# Altium PCB PCB1.PcbDoc (continued)
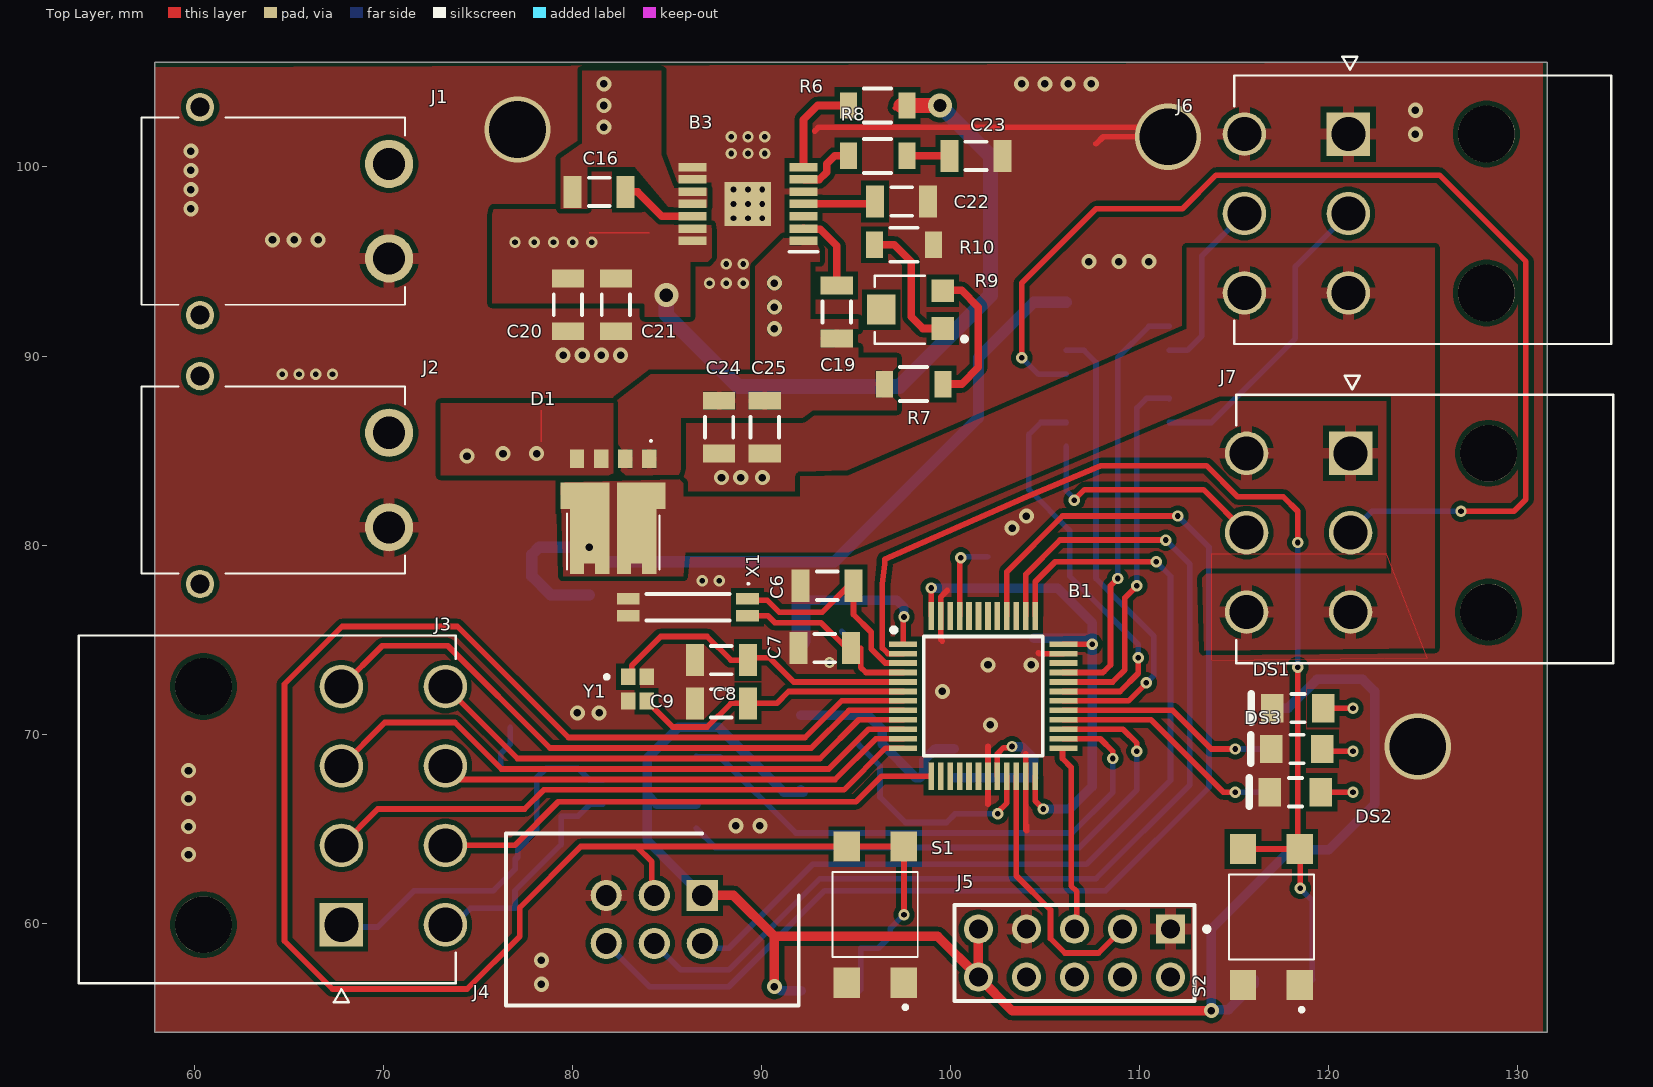
[diagram p0: Top Layer view]
## Part data (continued)
L3: "Inductor High Current Shielded Wirewound 3.3uH 20% 100KHz 10A 11.8mOhm DCR 4040 T/R", Case Code (Imperial)=4040, Current Rating=10A, DC Resistance (DCR)=11.8mΩ, Inductance Tolerance=20%, Manufacturer=Vishay, Max DC Current=18.6A, Max Operating Temperature=125°C, Min Operating Temperature=-55°C, Mouser Part Number=70-IHLP4040DZER3R3M0, Self Resonant Frequency=5MHz, Supplier Part Number=1547037, Test Frequency=100kHz, Arrow Part Number=IHLP4040DZER3R3M01, Arrow Price/Stock=https://www.arrow.com/en/products/ihlp4040dzer3r3m01/vishay?region=nac, Case/Package=4040, Category="Fixed Inductors", China RoHS=Compliant, ComponentLink1Description=https://datasheet.octopart.com:443/IHLP4040DZER3R3M01-Vishay-datasheet-181468593.pdf?src-supplier=IHS, ComponentLink1URL=https://datasheet.octopart.com:443/IHLP4040DZER3R3M01-Vishay-datasheet-181468593.pdf?src-supplier=IHS, ComponentLink2Description=https://datasheet.octopart.com:443/IHLP4040DZER3R3M01-Vishay-Dale-datasheet-181465866.pdf?src-supplier=IHS, ComponentLink2URL=https://datasheet.octopart.com:443/IHLP4040DZER3R3M01-Vishay-Dale-datasheet-181465866.pdf?src-supplier=IHS, ComponentLink3Description=https://datasheet.octopart.com:443/IHLP4040DZER3R3M01-Vishay-datasheet-67039456.pdf?src-supplier=Farnell, ComponentLink3URL=https://datasheet.octopart.com:443/IHLP4040DZER3R3M01-Vishay-datasheet-67039456.pdf?src-supplier=Farnell, ComponentLink4Description=https://datasheet.octopart.com:443/IHLP4040DZER3R3M01-Vishay-datasheet-167142.pdf?src-supplier=Farnell, ComponentLink4URL=https://datasheet.octopart.com:443/IHLP4040DZER3R3M01-Vishay-datasheet-167142.pdf?src-supplier=Farnell, ComponentLink5Description=https://datasheet.octopart.com/IHLP4040DZER3R3M01-Vishay-datasheet-12542609.pdf, ComponentLink5URL=https://datasheet.octopart.com/IHLP4040DZER3R3M01-Vishay-datasheet-12542609.pdf, ComponentLink6Description=https://datasheet.octopart.com/IHLP4040DZER3R3M01-Vishay-datasheet-12537444.pdf, ComponentLink6URL=https://datasheet.octopart.com/IHLP4040DZER3R3M01-Vishay-datasheet-12537444.pdf, ComponentLink7Description=https://datasheet.octopart.com/IHLP4040DZER3R3M01-Vishay-datasheet-12514016.pdf, ComponentLink7URL=https://datasheet.octopart.com/IHLP4040DZER3R3M01-Vishay-datasheet-12514016.pdf, ComponentLink8Description=https://datasheet.octopart.com/IHLP4040DZER3R3M01-Vishay-datasheet-5394347.pdf, ComponentLink8URL=https://datasheet.octopart.com/IHLP4040DZER3R3M01-Vishay-datasheet-5394347.pdf, ComponentLink9Description=https://datasheet.octopart.com:443/IHLP4040DZER3R3M01-Vishay-datasheet-8434461.pdf?src-supplier=Newark, ComponentLink9URL=https://datasheet.octopart.com:443/IHLP4040DZER3R3M01-Vishay-datasheet-8434461.pdf?src-supplier=Newark, ComponentLink10Description=https://datasheet.octopart.com:443/IHLP4040DZER3R3M01-Vishay-datasheet-62320562.pdf?src-supplier=element14+APAC, ComponentLink10URL=https://datasheet.octopart.com:443/IHLP4040DZER3R3M01-Vishay-datasheet-62320562.pdf?src-supplier=element14+APAC, ComponentLink11Description=https://datasheet.octopart.com:443/IHLP4040DZER3R3M01-Vishay-datasheet-101783941.pdf?src-supplier=Future+Electronics, ComponentLink11URL=https://datasheet.octopart.com:443/IHLP4040DZER3R3M01-Vishay-datasheet-101783941.pdf?src-supplier=Future+Electronics, ComponentLink12Description=https://datasheet.octopart.com:443/IHLP4040DZER3R3M01-Vishay-datasheet-12531877.pdf?src-supplier=Future+Electronics, ComponentLink12URL=https://datasheet.octopart.com:443/IHLP4040DZER3R3M01-Vishay-datasheet-12531877.pdf?src-supplier=Future+Electronics, ComponentLink13Description=https://datasheet.octopart.com:443/IHLP4040DZER3R3M01-Vishay-Dale-datasheet-42936488.pdf?src-supplier=RS+(Formerly+Allied+Electronics), ComponentLink13URL=https://datasheet.octopart.com:443/IHLP4040DZER3R3M01-Vishay-Dale-datasheet-42936488.pdf?src-supplier=RS+(Formerly+Allied+Electronics), ComponentLink14Description=https://datasheet.octopart.com:443/IHLP4040DZER3R3M01-Vishay-datasheet-140572121.pdf?src-supplier=Arrow.cn, ComponentLink14URL=https://datasheet.octopart.com:443/IHLP4040DZER3R3M01-Vishay-datasheet-140572121.pdf?src-supplier=Arrow.cn, ComponentLink15Description=http://sigma.octopart.com:80/rohs_statement/Vishay-company-15.pdf?src-supplier=Compliance+Statements, ComponentLink15URL=http://sigma.octopart.com:80/rohs_statement/Vishay-company-15.pdf?src-supplier=Compliance+Statements, Composition=Wirewound, Contact Plating=Tin, Core Material=Composite, Datasheet Link=https://www.vishay.com/docs/34193/ihlp-4040dz-01.pdf, Depth=10.3mm, ESR=14.4mΩ, Geometry.Height=4mm, Height=4mm, Height - Seated (Max)=3.9878mm, Lead Free="Lead Free", Lifecycle Status=Production, Manufacturer Part Number=IHLP4040DZER3R3M01, Manufacturer_Name=Vishay, Manufacturer_Part_Number=IHLP4040DZER3R3M01, Max Current Rating=10A, Military Standard=Not, Mounting Technology="Surface Mount", Mouser Price/Stock=https://www.mouser.co.uk/ProductDetail/Vishay-Dale/IHLP4040DZER3R3M01?qs=UUKq9QDXQ0nKJM%252B3xlQGHA%3D%3D, Number of Circuits=1, Number of Terminals=2, Radiation Hardening=No, REACH SVHC=Yes, RMS Current (Irms)=10A, RoHS=Compliant, Saturation Current=18.6A, Schedule B="8504500000, 8504500000|8504500000|8504500000|8504500000|8504500000", Shielding=Yes, Stock=559, Supplier=Farnell, Termination=SMD/SMT, Tolerance=20%, Weight=2.000002g, Width=10.16mm
R1 R2 R3 R4 R5 R6 R7 R8 R10 R11 R12 R13: library part CMP-04015-098385-1, "40.2kΩ ±1% 0.25W Chip Resistor 1206 Thick Film AEC-Q200 Qualified", Case Code (Imperial)=1206, Case Code (Metric)=3216, Max Operating Temperature=155°C, Min Operating Temperature=-55°C, Package Quantity=5000, Power Rating=250mW, Resistance=40.2kR, Temperature Coefficient=100ppm/°C, Tolerance=1%, Voltage Rating=200V, Case/Package=1206, Height=0.6mm, Lead Free="Contains Lead", Length=3.2mm, Packaging="Tape and Reel", RoHS Compliant=No, Series=RK73H, Termination=SMD/SMT, Voltage Rating (DC)=200V, Width=1.6mm
R9: "Adjustable Resistors – SMD; BOURNS; TC33X-2-503E; Cermet; 1.2 mm; 100 mW; Surface Mount", Color=Silver, Manufacturer=Bourns, Max Operating Temperature=100°C, Max Power Dissipation=100mW, Min Operating Temperature=-40°C, Package="1608 Bourns", Power Dissipation=150mW, Supplier Part Number=TC33X-503ECT-ND, Temperature Coefficient=250ppm/°C, Tolerance=25%, Voltage Rating (DC)=50V, Category="Variable Resistors and Potentiometers", Check_prices=https://www.snapeda.com/parts/TC33X-2-503E/Bourns/view-part/467769/?ref=eda, ComponentLink1Description=https://datasheet.octopart.com:443/TC33X-2-503E-Bourns-datasheet-182142024.pdf?src-supplier=IHS, ComponentLink1URL=https://datasheet.octopart.com:443/TC33X-2-503E-Bourns-datasheet-182142024.pdf?src-supplier=IHS, ComponentLink2Description=https://datasheet.octopart.com:443/TC33X-2-503E-Bourns-datasheet-11551316.pdf?src-supplier=Electro+Sonic, ComponentLink2URL=https://datasheet.octopart.com:443/TC33X-2-503E-Bourns-datasheet-11551316.pdf?src-supplier=Electro+Sonic, ComponentLink3Description=https://datasheet.octopart.com:443/TC33X-2-503E-Bourns-datasheet-154730028.pdf?src-supplier=Electro+Sonic, ComponentLink3URL=https://datasheet.octopart.com:443/TC33X-2-503E-Bourns-datasheet-154730028.pdf?src-supplier=Electro+Sonic, ComponentLink4Description=https://datasheet.octopart.com:443/TC33X-2-503E-Bourns-datasheet-67039831.pdf?src-supplier=element14+APAC, ComponentLink4URL=https://datasheet.octopart.com:443/TC33X-2-503E-Bourns-datasheet-67039831.pdf?src-supplier=element14+APAC, ComponentLink5Description=https://datasheet.octopart.com:443/TC33X-2-503E-Bourns-datasheet-164917123.pdf?src-supplier=Newark, ComponentLink5URL=https://datasheet.octopart.com:443/TC33X-2-503E-Bourns-datasheet-164917123.pdf?src-supplier=Newark, ComponentLink6Description=https://datasheet.octopart.com:443/TC33X-2-503E-Bourns-datasheet-26822215.pdf?src-supplier=Newark, ComponentLink6URL=https://datasheet.octopart.com:443/TC33X-2-503E-Bourns-datasheet-26822215.pdf?src-supplier=Newark, ComponentLink7Description=https://datasheet.octopart.com:443/TC33X-2-503E-Bourns-datasheet-41964919.pdf?src-supplier=Newark, ComponentLink7URL=https://datasheet.octopart.com:443/TC33X-2-503E-Bourns-datasheet-41964919.pdf?src-supplier=Newark, ComponentLink8Description=https://datasheet.octopart.com:443/TC33X-2-503E-Bourns-datasheet-47549324.pdf?src-supplier=RS+(Formerly+Allied+Electronics), ComponentLink8URL=https://datasheet.octopart.com:443/TC33X-2-503E-Bourns-datasheet-47549324.pdf?src-supplier=RS+(Formerly+Allied+Electronics), ComponentLink9Description=https://datasheet.octopart.com:443/TC33X-2-503E-Bourns-datasheet-549861.pdf?src-supplier=RS+(Formerly+Allied+Electronics), ComponentLink9URL=https://datasheet.octopart.com:443/TC33X-2-503E-Bourns-datasheet-549861.pdf?src-supplier=RS+(Formerly+Allied+Electronics), ComponentLink10Description=https://datasheet.octopart.com:443/TC33X-2-503E-Bourns-datasheet-21366158.pdf?src-supplier=Farnell, ComponentLink10URL=https://datasheet.octopart.com:443/TC33X-2-503E-Bourns-datasheet-21366158.pdf?src-supplier=Farnell, ComponentLink11Description=https://datasheet.octopart.com:443/TC33X-2-503E-Bourns-datasheet-38800.pdf?src-supplier=Farnell, ComponentLink11URL=https://datasheet.octopart.com:443/TC33X-2-503E-Bourns-datasheet-38800.pdf?src-supplier=Farnell, ComponentLink12Description=https://datasheet.octopart.com:443/TC33X-2-503E-Bourns-datasheet-5319878.pdf?src-supplier=element14, ComponentLink12URL=https://datasheet.octopart.com:443/TC33X-2-503E-Bourns-datasheet-5319878.pdf?src-supplier=element14, ComponentLink13Description=https://datasheet.octopart.com:443/TC33X-2-503E-Bourns-datasheet-14175263.pdf?src-supplier=iiiC, ComponentLink13URL=https://datasheet.octopart.com:443/TC33X-2-503E-Bourns-datasheet-14175263.pdf?src-supplier=iiiC, ComponentLink14Description=https://datasheet.octopart.com:443/TC33X-2-503E-Bourns-datasheet-39003.pdf?src-supplier=Mouser, ComponentLink14URL=https://datasheet.octopart.com:443/TC33X-2-503E-Bourns-datasheet-39003.pdf?src-supplier=Mouser, ComponentLink15Description=http://sigma.octopart.com:80/conflict_mineral_statement/Bourns-company-36.pdf?src-supplier=Compliance+Statements, ComponentLink15URL=http://sigma.octopart.com:80/conflict_mineral_statement/Bourns-company-36.pdf?src-supplier=Compliance+Statements, Composition=Cermet, Depth=3.8mm, Digi-Key_Part_Number=TC33X-503ECT-ND, Height=1.2mm, Lead Free="Contains Lead", Length=3.8mm, Lifecycle Status=Production, Manufacturer Part Number=TC33X-2-503E, MF=Bourns, Military Standard=Not, Mounting Technology="Surface Mount", MP=TC33X-2-503E, Number of Terminals=3, Number of Turns=1, Packaging="Cut Tape", Power Rating=100mW, Pricing="1=0,25, 10=0,213, 25=0,1996, 50=0,1896, 100=0,18, 250=0,168, 500=0,15938, 1000=0,15119 (USD)", Purchase-URL=https://pricing.snapeda.com/search/part/TC33X-2-503E/?ref=eda, Radiation Hardening=No, REACH SVHC=Yes, RoHS=Compliant, Schedule B="8533400080, 8533400080|8533400080|8533400080|8533400080|8533400080", SnapEDA_Link=https://www.snapeda.com/parts/TC33X-2-503E/Bourns/view-part/467769/?ref=snap, Stock=2932, Supplier=DigiKey, Termination="Foot Print", Weight=29.4mg, Width=3.6mm, Working Voltage=50V
S1 S2: "TL3305 Ultra-Miniature Tact Switch 100gf 5.0mm actuator Silver Contact Gullwing", Manufacturer=E-Switch, Mouser Part Number=612-TL3305BF100QG, Supplier Part Number=4539028, Category="Tactile Switches", ComponentLink1Description=https://datasheet.octopart.com:443/TL3305BF100QG-E-Switch-datasheet-181388209.pdf?src-supplier=Future+Electronics, ComponentLink1URL=https://datasheet.octopart.com:443/TL3305BF100QG-E-Switch-datasheet-181388209.pdf?src-supplier=Future+Electronics, ComponentLink2Description=https://datasheet.octopart.com:443/TL3305BF100QG-E-Switch-datasheet-188129426.pdf?src-supplier=Future+Electronics, ComponentLink2URL=https://datasheet.octopart.com:443/TL3305BF100QG-E-Switch-datasheet-188129426.pdf?src-supplier=Future+Electronics, Datasheet Link=https://configured-product-images.s3.amazonaws.com/2D/specs/TL3305BF100QG.pdf, Manufacturer Part Number=TL3305BF100QG, Manufacturer_Name=E-Switch, Manufacturer_Part_Number=TL3305BF100QG, Mouser Price/Stock=https://www.mouser.co.uk/ProductDetail/E-Switch/TL3305BF100QG?qs=IKkN%2F947nfDIPwqPQja%252BvQ%3D%3D, RoHS=Compliant, Stock=11760, Supplier=Farnell
U1: "Texas Instruments - SN65HVD232DR - Can Transceiver, 1MBPS, 1/1, 3.3V, SOIC-8, Full Reel", Case/Package=SOIC, Manufacturer="Texas Instruments", Manufacturer Lifecycle Status=ACTIVE, Manufacturer Part Number=SN65HVD232DR, Max Operating Temperature=85°C, Max Supply Voltage=3.6V, Min Operating Temperature=-40°C, Min Supply Voltage=3V, Nominal Supply Current=17mA, Package="SOIC-8 Texas Instruments", Category="CAN Transceivers", Check_prices=https://www.snapeda.com/parts/SN65HVD232D/Texas+Instruments/view-part/?ref=eda, ComponentLink1Description=https://octopart.com:443/opatz8j6/c1?t=KNMFt9M64p-_id6rZ0-P1CX6CGmvk_NFg0bt7DHXbi_P10EFF0MZE_9gM8ERckOxIywTBgDrXd4Bw1XwEAcVVdK92p9CEfdSNaVajf6_bxnez3EeN1RE1wZBaojbXTwQ_101S7Bb856c3hUAWErS0_zGIM1B6Z6dFQwv_Ps2SUdVVUCjmJkLnMLZKTBWfnIVcgJIheW78JYanUyW_1u-I93chBuiSPXQYIk2xXb9JgOyrE9lHEnesRSQq9luJOd1yknyGQP0N3Is0_dGM9QrGV5UOgjoada9tMnQwKJP8gahr3iTK59XJFH6OfbHTOm3R9BdESCrBMbrE2MVOGPPkVOTrqf0YMovDpmf-konbncFnSES8CNOhHqMwHv2HEwKcPoK44nl&src-supplier=Texas+Instruments, ComponentLink1URL=https://octopart.com:443/opatz8j6/c1?t=KNMFt9M64p-_id6rZ0-P1CX6CGmvk_NFg0bt7DHXbi_P10EFF0MZE_9gM8ERckOxIywTBgDrXd4Bw1XwEAcVVdK92p9CEfdSNaVajf6_bxnez3EeN1RE1wZBaojbXTwQ_101S7Bb856c3hUAWErS0_zGIM1B6Z6dFQwv_Ps2SUdVVUCjmJkLnMLZKTBWfnIVcgJIheW78JYanUyW_1u-I93chBuiSPXQYIk2xXb9JgOyrE9lHEnesRSQq9luJOd1yknyGQP0N3Is0_dGM9QrGV5UOgjoada9tMnQwKJP8gahr3iTK59XJFH6OfbHTOm3R9BdESCrBMbrE2MVOGPPkVOTrqf0YMovDpmf-konbncFnSES8CNOhHqMwHv2HEwKcPoK44nl&src-supplier=Texas+Instruments, ComponentLink2Description=https://sigma.octopart.com:443/49249642/technical_drawing/Texas-Instruments-SN65HVD232DR.pdf?src-supplier=Texas+Instruments, ComponentLink2URL=https://sigma.octopart.com:443/49249642/technical_drawing/Texas-Instruments-SN65HVD232DR.pdf?src-supplier=Texas+Instruments, ComponentLink3Description=https://datasheet.octopart.com:443/SN65HVD232DR-Texas-Instruments-datasheet-81447765.pdf?src-supplier=Upverter, ComponentLink3URL=https://datasheet.octopart.com:443/SN65HVD232DR-Texas-Instruments-datasheet-81447765.pdf?src-supplier=Upverter, ComponentLink4Description=https://datasheet.octopart.com:443/SN65HVD232DR-Texas-Instruments-datasheet-37140773.pdf?src-supplier=Newark, ComponentLink4URL=https://datasheet.octopart.com:443/SN65HVD232DR-Texas-Instruments-datasheet-37140773.pdf?src-supplier=Newark, ComponentLink5Description=https://datasheet.octopart.com:443/SN65HVD232DR-Texas-Instruments-datasheet-14436966.pdf?src-supplier=Newark, ComponentLink5URL=https://datasheet.octopart.com:443/SN65HVD232DR-Texas-Instruments-datasheet-14436966.pdf?src-supplier=Newark, ComponentLink6Description=https://datasheet.octopart.com:443/SN65HVD232DR-Texas-Instruments-datasheet-58296547.pdf?src-supplier=Newark, ComponentLink6URL=https://datasheet.octopart.com:443/SN65HVD232DR-Texas-Instruments-datasheet-58296547.pdf?src-supplier=Newark, ComponentLink7Description=https://datasheet.octopart.com:443/SN65HVD232DR-Texas-Instruments-datasheet-48117850.pdf?src-supplier=Newark, ComponentLink7URL=https://datasheet.octopart.com:443/SN65HVD232DR-Texas-Instruments-datasheet-48117850.pdf?src-supplier=Newark, ComponentLink8Description=https://datasheet.octopart.com:443/SN65HVD232DR-Texas-Instruments-datasheet-10256024.pdf?src-supplier=Arrow+Electronics, ComponentLink8URL=https://datasheet.octopart.com:443/SN65HVD232DR-Texas-Instruments-datasheet-10256024.pdf?src-supplier=Arrow+Electronics, ComponentLink9Description=https://datasheet.octopart.com:443/SN65HVD232DR-Texas-Instruments-datasheet-149765.pdf?src-supplier=Mouser, ComponentLink9URL=https://datasheet.octopart.com:443/SN65HVD232DR-Texas-Instruments-datasheet-149765.pdf?src-supplier=Mouser, ComponentLink10Description=https://datasheet.octopart.com:443/SN65HVD232DR-Texas-Instruments-datasheet-62292544.pdf?src-supplier=Farnell, ComponentLink10URL=https://datasheet.octopart.com:443/SN65HVD232DR-Texas-Instruments-datasheet-62292544.pdf?src-supplier=Farnell, ComponentLink11Description=https://datasheet.octopart.com:443/SN65HVD232DR-Texas-Instruments-datasheet-164416263.pdf?src-supplier=SHENGYU+ELECTRONICS, ComponentLink11URL=https://datasheet.octopart.com:443/SN65HVD232DR-Texas-Instruments-datasheet-164416263.pdf?src-supplier=SHENGYU+ELECTRONICS, ComponentLink12Description=https://datasheet.octopart.com:443/SN65HVD232DR-Texas-Instruments-datasheet-159115712.pdf?src-supplier=LCSC, ComponentLink12URL=https://datasheet.octopart.com:443/SN65HVD232DR-Texas-Instruments-datasheet-159115712.pdf?src-supplier=LCSC, ComponentLink13Description=https://datasheet.octopart.com:443/SN65HVD232DR-Texas-Instruments-datasheet-137316104.pdf?src-supplier=Future+Electronics, ComponentLink13URL=https://datasheet.octopart.com:443/SN65HVD232DR-Texas-Instruments-datasheet-137316104.pdf?src-supplier=Future+Electronics, ComponentLink14Description=https://datasheet.octopart.com:443/SN65HVD232DR-Texas-Instruments-datasheet-8625468.pdf?src-supplier=Verical, ComponentLink14URL=https://datasheet.octopart.com:443/SN65HVD232DR-Texas-Instruments-datasheet-8625468.pdf?src-supplier=Verical, ComponentLink15Description=https://datasheet.octopart.com:443/SN65HVD232DR-Texas-Instruments-datasheet-8378736.pdf?src-supplier=Verical, ComponentLink15URL=https://datasheet.octopart.com:443/SN65HVD232DR-Texas-Instruments-datasheet-8378736.pdf?src-supplier=Verical, ComponentLink16Description=http://sigma.octopart.com:80/conflict_mineral_statement/Texas-Instruments-company-63.pdf?src-supplier=Compliance+Statements, ComponentLink16URL=http://sigma.octopart.com:80/conflict_mineral_statement/Texas-Instruments-company-63.pdf?src-supplier=Compliance+Statements, ComponentLink17Description=http://sigma.octopart.com:80/reach_statement/Texas-Instruments-company-64.pdf?src-supplier=Compliance+Statements, ComponentLink17URL=http://sigma.octopart.com:80/reach_statement/Texas-Instruments-company-64.pdf?src-supplier=Compliance+Statements, Data Rate=1Mbps, Height=1.75mm, Lead Free="Lead Free", Length=4.9mm, Lifecycle Status=Production, MF="Texas Instruments", MP=SN65HVD232D, Number of Drivers=1, Number of Receive Buffers=1, Number of Receivers=1, Number of Transceivers=1, Number of Transmit Buffers=1, Packaging="Cut Tape", Pins=8, Pricing="2500=1,1159, 5000=1,076, 7500=1,062 (USD)", Radiation Hardening=No, REACH SVHC=No, RoHS=Compliant, Schedule B="8542390000, 8542390000|8542390000|8542390000|8542390000|8542390000", SnapEDA_Link=https://www.snapeda.com/parts/SN65HVD232D/Texas+Instruments/view-part/?ref=snap, Stock=10000, Supplier="Arrow Electronics", Supplier Part Number=SN65HVD232DR, Thickness=1.58mm, Weight=72.603129mg, Width=3.91mm
U2: "Fixed Positive LDO Regulator", Manufacturer=Diotec, Supplier Part Number=637-LDI1117-3.3H, Category="Voltage Regulators - Linear", ComponentLink1Description=https://datasheet.octopart.com/LDI1117-3.3H-Diotec-datasheet-154607892.pdf?src-supplier=TME, ComponentLink1URL=https://datasheet.octopart.com/LDI1117-3.3H-Diotec-datasheet-154607892.pdf?src-supplier=TME, ComponentLink2Description=https://datasheet.octopart.com/LDI1117-3.3H-Diotec-datasheet-159101088.pdf?src-supplier=SOS+electronic, ComponentLink2URL=https://datasheet.octopart.com/LDI1117-3.3H-Diotec-datasheet-159101088.pdf?src-supplier=SOS+electronic, ComponentLink3Description=https://datasheet.octopart.com/LDI1117-3.3H-Diotec-datasheet-189099648.pdf?src-supplier=Master+Electronics, ComponentLink3URL=https://datasheet.octopart.com/LDI1117-3.3H-Diotec-datasheet-189099648.pdf?src-supplier=Master+Electronics, Manufacturer Part Number=LDI1117-3.3H, Pricing="1=0,4, 10=0,286, 50=0,286, 100=0,199, 1000=0,163, 10000=0,089 (USD)", RoHS=No, Stock=5056, Supplier=Mouser
X1: "Parallel - Fundamental Quartz Crystal, 0.032768MHz Nom", Case/Package=SMD/SMT, ESR (Equivalent Series Resistance)=65kΩ, Frequency=32.768kHz, Frequency Tolerance=0.002%, Load Capacitance=12.5pF, Manufacturer=TXC, Manufacturer_Name="TXC CORPORATION", Max Operating Temperature=85°C, Min Operating Temperature=-40°C, Mouser Part Number=717-9HT7-32.768KDZFT, Supplier Part Number=2819319, Arrow Part Number=9HT7-32.768KDZF-T, Arrow Price/Stock=https://www.arrow.com/en/products/9ht7-32.768kdzf-t/txc-corporation?region=nac, Category=Crystals, ComponentLink1Description=https://datasheet.octopart.com:443/9HT7-32.768KDZF-T-TXC-datasheet-21225340.pdf?src-supplier=element14+APAC, ComponentLink1URL=https://datasheet.octopart.com:443/9HT7-32.768KDZF-T-TXC-datasheet-21225340.pdf?src-supplier=element14+APAC, ComponentLink2Description=https://datasheet.octopart.com:443/9HT7-32.768KDZF-T-TXC-datasheet-181441158.pdf?src-supplier=Newark, ComponentLink2URL=https://datasheet.octopart.com:443/9HT7-32.768KDZF-T-TXC-datasheet-181441158.pdf?src-supplier=Newark, ComponentLink3Description=https://datasheet.octopart.com:443/9HT7-32.768KDZF-T-TXC-datasheet-188932442.pdf?src-supplier=TME, ComponentLink3URL=https://datasheet.octopart.com:443/9HT7-32.768KDZF-T-TXC-datasheet-188932442.pdf?src-supplier=TME, Datasheet Link=https://componentsearchengine.com/Datasheets/2/9HT7-32.768KDZF-T.pdf, Geometry.Height=1.4mm, Height=508µm, Lead Free="Lead Free", Length=1.4mm, Lifecycle Status=Production, Manufacturer Part Number=9HT7-32.768KDZF-T, Manufacturer_Part_Number=9HT7-32.768KDZF-T, Mounting Technology="Surface Mount", Mouser Price/Stock=https://www.mouser.co.uk/ProductDetail/TXC-Corporation/9HT7-32.768KDZF-T?qs=MEJ8UTjcHDlobjP3Uu4Bsg%3D%3D, Packaging="Tape & Reel", REACH SVHC=No, RoHS=Compliant, Schedule B="8541600080, 8541600080|8541600080|8541600080|8541600080|8541600080|8541600080|8541600080|8541600080|8541600080|8541600080|8541600080|8541600080|8541600080|8541600080|8541600080|8541600080|8541600080|8541600080|8541600080|8541600080|8541600080|8541600080|8541600080|85", Stock=7957, Supplier=Farnell, Termination=SMD/SMT, Tolerance=0.002%, Width=1.397mm
Y1: "Crystal, Quartz, 24 MHz, SMD, 2mm x 1.6mm x 0.5mm, 20 ppm, 8 pF, 10 ppm, ABM11W", ESR (Equivalent Series Resistance)=100Ω, Frequency=24MHz, Frequency Stability=20ppm, Frequency Tolerance=0.001%, Load Capacitance=8pF, Manufacturer=Abracon, Max Operating Temperature=85°C, Min Operating Temperature=-40°C, Package="SMD-4 Abracon LLC", Supplier Part Number=535-13835-1-ND, Category=Crystals, Check_prices=https://www.snapeda.com/parts/ABM11W-24.0000MHZ-8-D1X-T3/Abracon/view-part/?ref=eda, China RoHS=Compliant, ComponentLink1Description=https://datasheet.octopart.com:443/ABM11W-24.0000MHZ-8-D1X-T3-Abracon-datasheet-154833168.pdf?src-supplier=IHS, ComponentLink1URL=https://datasheet.octopart.com:443/ABM11W-24.0000MHZ-8-D1X-T3-Abracon-datasheet-154833168.pdf?src-supplier=IHS, ComponentLink2Description=https://datasheet.octopart.com:443/ABM11W-24.0000MHZ-8-D1X-T3-Abracon-datasheet-102760955.pdf?src-supplier=Upverter, ComponentLink2URL=https://datasheet.octopart.com:443/ABM11W-24.0000MHZ-8-D1X-T3-Abracon-datasheet-102760955.pdf?src-supplier=Upverter, ComponentLink3Description=https://datasheet.octopart.com:443/ABM11W-24.0000MHZ-8-D1X-T3-Abracon-datasheet-112015802.pdf?src-supplier=Master+Electronics, ComponentLink3URL=https://datasheet.octopart.com:443/ABM11W-24.0000MHZ-8-D1X-T3-Abracon-datasheet-112015802.pdf?src-supplier=Master+Electronics, ComponentLink4Description=https://datasheet.octopart.com:443/ABM11W-24.0000MHZ-8-D1X-T3-Abracon-datasheet-182204996.pdf?src-supplier=Master+Electronics, ComponentLink4URL=https://datasheet.octopart.com:443/ABM11W-24.0000MHZ-8-D1X-T3-Abracon-datasheet-182204996.pdf?src-supplier=Master+Electronics, ComponentLink5Description=https://sigma.octopart.com:443/141159858/technical_drawing/Abracon-ABM11W-24.0000MHZ-8-D1X-T3.pdf?src-supplier=Abracon+SCT, ComponentLink5URL=https://sigma.octopart.com:443/141159858/technical_drawing/Abracon-ABM11W-24.0000MHZ-8-D1X-T3.pdf?src-supplier=Abracon+SCT, ComponentLink6Description=http://sigma.octopart.com:80/conflict_mineral_statement/Abracon-company-27.pdf?src-supplier=Compliance+Statements, ComponentLink6URL=http://sigma.octopart.com:80/conflict_mineral_statement/Abracon-company-27.pdf?src-supplier=Compliance+Statements, ESR=30Ω, Height=500µm, Length=2mm, Lifecycle Status=Production, Manufacturer Part Number=ABM11W-24.0000MHZ-8-D1X-T3, MF="Abracon LLC", Mounting Technology="Surface Mount", MP=ABM11W-24.0000MHZ-8-D1X-T3, Pricing="1=0,38, 10=0,334, 25=0,3156, 50=0,3024, 100=0,29, 250=0,27424, 500=0,26288, 1000=0,25201 (USD)", REACH SVHC=Yes, RoHS=Compliant, SnapEDA_Link=https://www.snapeda.com/parts/ABM11W-24.0000MHZ-8-D1X-T3/Abracon/view-part/?ref=snap, Stock=2752, Supplier=DigiKey, Tolerance=0.001%, Width=1.6mm

## Via types
v1: diameter 0.6, hole 0.3, Top Layer to Bottom Layer, 60 vias
v2: diameter 0.8, hole 0.4, Top Layer to Bottom Layer, 51 vias
v3: diameter 3.5, hole 3, Top Layer to Bottom Layer, 3 vias
v4: diameter 1.27, hole 0.711, Top Layer to Bottom Layer, 2 vias

## Nets (pads, with @x,y where several pads share a name; then routed paths per layer and width w, separated by ;. In a path a pad name is that pad's centre, name@x,y a point inside that pad or via, vN(x,y) a via of type N, cw(c..) or ccw(c..) an arc to the next point about the centre after c; other vN are vias at no path point)
+3V3: B1.1 B1.24 B1.36 B1.48 C3.1 C10.1 C11.1 C12.1 C13.1 C14.1 C15.1 C17.1 C27.1 J4.1 J5.9 J5.10 L1.2 L2.2 R2.2 R3.2 R11.2 U1.3 U2.2 U2.4 | length 139.2
  Top Layer w0.3: B1.1 97.489,76.153 v1(97.536,76.2) ; B1.48 v1(98.977,77.726) ; B1.24 104.477,66.465 v1(104.902,66.04) ; B1.36 v1(107.486,74.759)
  Top Layer w0.5: J4.1 88.519,61.468 90.678,59.309 ; v2(90.678,56.642) 90.678,59.309 ; J5.9 J5.10 ; v2(113.792,55.372) 103.251,55.372 J5.10 ; 90.678,59.309 99.314,59.309 J5.10
  Bottom Layer w0.3: C14.1@94.237,75.438 C14.1
  Bottom Layer w0.5: U1.3 84.455,66.294 83.947,66.802 ; J4.1 83.947,64.389 83.947,66.802 ; v2(90.678,56.642) 90.813,56.642 91.018,56.437 R2.2 ; C17.1@92.072,67.059 C17.1 91.186,66.929 87.757,70.358 85.598,70.358 83.947,68.707 83.947,66.802 ; 92.072,70.993 95.631,70.993 96.393,70.231 96.393,69.466 C3.1 ; 92.075,74.93 92.078,74.933 ; C15.1@92.332,77.089 97.155,77.089 97.536,76.708 v1(97.536,76.2) ; C3.1@98.227,67.688 98.367,67.688 98.592,67.913 98.592,68.62 99.21,69.238 L1.2 ; v1(98.977,77.726) 105.662,77.726 107.486,75.902 v1(107.486,74.759) ; C10.1 107.158,75.06 107.459,74.759 v1(107.486,74.759) ; v1(104.902,66.04) 106.299,66.04 107.486,67.227 v1(107.486,74.759) ; R3.2 116.052,56.773 114.708,55.429 113.849,55.429 v2(113.792,55.372) 113.792,59.69 117.983,63.881 120.015,63.881 122.428,66.294 122.428,72.263 121.793,72.898 119.38,72.898 117.856,71.374 R11.2
  Bottom Layer w1: 92.078,74.933 C15.1@92.078,76.835
+5V: B2.14 C26.1 D1.5 D1.6 D1.7 D1.8 D1.9 D1.10 D1.F1 D1.F2 J6.3 J6.6 J7.3 J7.6 U2.3 | length 40.9
  Bottom Layer w0.6: U2.3 79.491,77.357 78.853,77.357 77.851,78.359 C26.1 77.851,79.502 78.232,79.883 v2(80.899,79.883) 81.661,79.121 93.853,79.121 101.473,86.741 101.473,89.916 104.394,92.837 B2.14
+5V_EXT: F2.1 J2.2
+5V_OUT: B3.1 C19.1 C24.1 C25.1 D1.1 D1.2 L3.2 R7.1
  other v2: 90.678,91.44 90.678,92.583 90.678,93.853
+12V: F1.1 J1.2
ADDITIONAL: B1.13 J3.6 | length 27.2
  Top Layer w0.3: J3.6 76.944,64.117 79.248,66.421 94.996,66.421 96.346,67.771 B1.13
BRAKE: B1.10 J3.3 | length 32.5
  Top Layer w0.3: J3.3 70.074,70.612 73.787,70.612 76.241,68.158 93.558,68.158 95.659,70.259 B1.10
CAN_H: IC1.1 J3.5 R5.2 U1.6 | length 12.4
  Bottom Layer w0.3: J3.5@73.318,59.799 73.613,59.799 74.597,60.783 IC1.1 76.962,60.799 76.962,61.722 79.401,64.161 R5.2 80.284,65.659 80.919,66.294 U1.6
CAN_L: IC1.2 J3.1 R4.2 U1.7 | length 19.7
  Bottom Layer w0.3: J3.1@67.818,59.799 69.705,59.799 71.628,61.722 75.819,61.722 76.978,62.881 IC1.2 ; IC1.2@77.023,63.394 77.102,63.473 77.102,63.897 78.105,64.9 78.105,67.691 78.613,68.199 R4.2 80.284,68.199 80.919,67.564 U1.7
CAN_LED: B1.29 R13.2 | length 11.3
  Top Layer w0.3: B1.29 111.748,71.259 113.792,69.215 v1(115.062,69.215)
  Bottom Layer w0.3: v1(115.062,69.215) R13.2@116.433,69.215
CAN_RX: B1.26 U1.1 | length 29.7
  Top Layer w0.3: B1.26 107.914,69.759 108.585,69.088 v1(108.585,68.707)
  Bottom Layer w0.3: U1.1 86.576,68.802 87.789,68.802 91.821,64.77 106.426,64.77 108.585,66.929 v1(108.585,68.707)
CAN_TX: B1.27 U1.4 | length 31.7
  Top Layer w0.3: B1.27 109.121,70.259 109.855,69.525 v1(109.855,69.088)
  Bottom Layer w0.3: U1.4 87.56,64.008 106.807,64.008 109.855,67.056 v1(109.855,69.088)
EN: B3.7 R6.1 | length 5.2
  Top Layer w0.4: B3.7 92.219,102.506 92.964,103.251 R6.1
FB: B3.2 C19.2 R9.2 | length 4.2
  Top Layer w0.4: B3.2 92.263,96.7 93.114,96.7 93.98,95.834 C19.2
GND: B1.19 B1.23 B1.35 B1.47 B2.1 B2.4 B2.7 B2.10 B2.13 B3.5 B3.8 B3.9 B3.15 C1.2 C2.2 C3.2 C4.2 C5.2 C6.2 C7.2 C8.2 C9.2 C10.2 C11.2 C12.2 C13.2 C14.2 C15.2 C17.2 C18.2 C20.2 C21.2 C22.2 C23.2 C24.2 C25.2 C26.2 C27.2 D3.2 DS1.2 DS2.2 DS3.2 IC1.3 J1.1 J2.1 J4.5 J5.1 J5.7 J6.1 J6.4 J7.1 J7.4 R1.1 R10.2 S1.1 S1.3 S2.1 S2.3 U1.2 U2.1 X1.2 X1.3 Y1.2 Y1.4 | length 34.5
  Top Layer w0.3: 92.823,101.902 93.029,102.108 110.998,102.108 v3(111.506,101.6) 108.077,101.6 107.696,101.219 ; 99.568,74.93 99.477,75.021 B1.47 99.477,77.252 99.822,77.597 ; 101.977,66.294 B1.19 101.977,69.338 101.981,69.342 ; 103.977,68.961 B1.23 103.977,64.933 104.013,64.897 104.013,65.151 ; 104.648,74.295 104.684,74.259 B1.35
  other v1: 93.599,73.787 86.868,78.105 87.757,78.105 64.643,89.027 65.532,89.027 66.421,89.027 67.31,89.027 87.249,93.853 88.138,93.853 89.027,93.853 88.138,94.869 89.027,94.869 88.519,97.282 89.281,97.282 90.043,97.282 88.519,98.044 89.281,98.044 90.043,98.044 88.519,98.806 89.281,98.806 90.043,98.806 88.392,100.711 89.281,100.711 90.17,100.711 88.392,101.6 89.281,101.6 90.17,101.6
  other v2: 78.359,56.769 78.359,58.039 59.69,63.627 59.69,65.109 88.646,65.151 89.916,65.151 59.69,66.59 59.69,68.072 102.108,70.485 80.264,71.12 81.407,71.12 99.568,72.263 101.981,73.66 104.267,73.66 103.251,80.899 104.013,81.534 87.884,83.566 88.9,83.566 90.043,83.566 79.502,90.043 80.518,90.043 81.534,90.043 82.55,90.043 107.315,94.996 108.902,94.996 110.49,94.996 64.135,96.139 65.278,96.139 66.548,96.139 59.817,97.79 59.817,98.806 59.817,99.822 59.817,100.838 124.587,101.727 124.587,102.997 103.759,104.394 104.987,104.394 106.214,104.394 107.442,104.394
  other v3: 124.714,69.342 77.089,101.981
HSE_IN: B1.5 C8.1 Y1.1 | length 16.8
  Top Layer w0.3: Y1.1 83.134,73.209 83.134,73.632 84.671,75.168 87.123,75.168 88.377,73.914 C8.1 89.408,74.041 90.424,74.041 91.706,72.759 B1.5
HSE_OUT: B1.6 C9.1 Y1.3 | length 14.9
  Top Layer w0.3: Y1.3 85.305,70.374 87.123,70.374 88.377,71.628 C9.1 90.805,71.628 91.436,72.259 B1.6
JTAG_RESET: B1.7 C4.1 J4.3 R2.1 S1.2 S1.4 | length 100.8
  Top Layer w0.3: J4.3 84.201,61.595 84.201,63.246 83.395,64.052 ; B1.7 94.238,71.759 92.299,69.82 79.786,69.82 73.914,75.692 67.818,75.692 64.77,72.644 64.77,59.055 67.31,56.515 74.422,56.515 77.216,59.309 77.216,60.833 80.435,64.052 83.395,64.052 ; v1(97.536,60.452) 97.536,64.028 S1.2 S1.4 83.395,64.052
  Bottom Layer w0.3: R2.1@95.149,56.388 95.247,56.486 C4.1 96.172,58.674 96.806,59.308 96.806,59.722 v1(97.536,60.452)
JTAG_SWCLK: B1.38 J4.4 | length 56.8
  Top Layer w0.3: B1.38 103.977,78.45 105.791,80.264 v1(111.379,80.264)
  Bottom Layer w0.3: J4.4 85.725,57.531 88.265,57.531 93.091,62.357 107.696,62.357 112.649,67.31 112.649,78.994 v1(111.379,80.264)
JTAG_SWDIO: B1.37 J4.2 | length 49.1
  Top Layer w0.3: B1.37 104.477,78.061 105.537,79.121 v1(110.871,79.121)
  Bottom Layer w0.3: J4.2 87.122,58.674 88.265,58.674 92.71,63.119 107.188,63.119 111.633,67.564 111.633,78.359 v1(110.871,79.121)
JTAG_SWO: B1.40 J4.6 | length 64.8
  Top Layer w0.3: B1.40 102.977,78.593 105.918,81.534 v1(112.014,81.534)
  Bottom Layer w0.3: J4.6 84.074,56.642 88.265,56.642 93.345,61.722 108.204,61.722 113.665,67.183 113.665,79.883 v1(112.014,81.534)
LED_STRIP_1: B2.3 J6.5 | length 9.4
  Bottom Layer w0.3: B2.3 112.522,90.297 113.284,91.059 113.284,95.283 J6.5
LED_STRIP_2: B2.6 J6.2 | length 16.3
  Bottom Layer w0.3: B2.6 113.792,86.487 118.237,90.932 118.237,94.736 J6.2
LED_STRIP_3: B2.8 J7.5 | length 13.3
  Top Layer w0.3: v1(106.536,82.377) 107.09,82.931 113.381,82.931 J7.5
  Bottom Layer w0.3: B2.8 106.114,82.88 106.536,82.458 v1(106.536,82.377)
LED_STRIP_4: B2.11 J7.2 | length 60.2
  Top Layer w0.3: v1(103.759,89.916) 103.759,93.853 107.696,97.79 112.268,97.79 114.046,99.568 125.857,99.568 130.429,94.996 130.429,82.423 129.794,81.788 v1(127,81.788)
  Bottom Layer w0.3: v1(103.759,89.916) 104.648,89.027 B2.11 ; J7.2 122.292,81.788 v1(127,81.788)
LEFT_INDICATOR: B1.12 J3.2 | length 31.8
  Top Layer w0.3: J3.2 69.702,66.04 77.47,66.04 78.48,67.05 94.355,67.05 96.564,69.259 B1.12
LIGHT_BEAM: B1.9 J3.8 | length 26.6
  Top Layer w0.3: J3.8 77.084,68.712 93.096,68.712 95.143,70.759 B1.9
LSE_IN: B1.3 C6.1 X1.1 | length 12.2
  Top Layer w0.3: X1.1 89.325,77.089 90.297,77.089 90.932,76.454 93.218,76.454 94.615,77.851 C6.1 94.869,77.848 94.869,76.327 95.807,75.389 95.807,74.5 96.548,73.759 B1.3
LSE_OUT: B1.4 C7.1 X1.4 | length 10.1
  Top Layer w0.3: X1.4 90.345,76.258 90.703,75.9 93.137,75.9 94.488,74.549 95.253,74.549 95.25,74.546 95.25,73.533 95.524,73.259 B1.4
MCU_LED: B1.28 R12.2 | length 12.1
  Top Layer w0.3: B1.28 110.597,70.759 114.427,66.929 v1(115.062,66.929)
  Bottom Layer w0.3: v1(115.062,66.929) R12.2@116.433,66.929
NetB1_30: B1.30 B2.12 | length 25
  Top Layer w0.3: B1.30 109.407,71.759 v1(110.358,72.71)
  Bottom Layer w0.3: B2.12 107.061,90.297 107.696,89.662 107.696,78.232 110.744,75.184 110.744,73.096 v1(110.358,72.71)
NetB1_31: B1.31 B2.9 | length 21.6
  Top Layer w0.3: B1.31 108.962,72.259 109.924,73.221 v1(109.924,74.041)
  Bottom Layer w0.3: B2.9 104.775,86.487 104.14,85.852 104.14,82.931 106.299,80.772 106.299,78.359 109.924,74.734 v1(109.924,74.041)
NetB1_32: B1.32 B2.5 | length 19.6
  Top Layer w0.3: B1.32 108.573,72.759 109.22,73.406 109.22,77.216 v1(109.855,77.851)
  Bottom Layer w0.3: v1(109.855,77.851) 109.855,87.249 110.366,87.76 111.561,87.76 B2.5
NetB1_33: B1.33 B2.2 | length 22.4
  Top Layer w0.3: B1.33 108.057,73.259 ; 108.111,73.313 108.458,73.66 108.458,77.851 v1(108.839,78.232)
  Bottom Layer w0.3: v1(108.839,78.232) 108.839,89.916 110.49,91.567 B2.2
NetB1_45: B1.45 R1.2 | length 4.6
  Top Layer w0.3: B1.45 100.477,79.268 v1@100.584,79.375
  Bottom Layer w0.3: v1(100.53,79.321) 100.584,79.375 R1.2
NetB3_3: B3.3 C23.1 R8.2 | length 2.3
  Top Layer w0.4: R8.2 C23.1
NetB3_6: B3.6 R8.1 | length 3.2
  Top Layer w0.4: B3.6 92.249,99.314 93.04,99.314 93.458,99.731 93.458,100.167 93.875,100.584 R8.1
NetB3_13: B3.13 B3.14 C20.1 C21.1 D3.1 F1.2 R6.2 | length 35.4
  Top Layer w0.254: 97.054,103.124 R6.2@97.377,103.251
  Top Layer w0.3: v4(84.963,93.218) v4@84.963,93.345
  Top Layer w0.8: R6.2@97.377,103.251 R6.2 v4(99.441,103.251)
  Bottom Layer w0.8: v4(84.963,93.218) 84.963,92.202 88.773,88.392 97.287,88.392 102.108,93.213 102.108,93.652 102.108,100.584 v4(99.441,103.251)
  other v1: 76.962,96.012 77.978,96.012 78.994,96.012 80.01,96.012 81.026,96.012
NetC18_1: C18.1 R4.1 R5.1 | length 2.4
  Bottom Layer w0.3: R4.1 76.2,68.3 76.2,68.961 76.708,69.469 C18.1
NetD1_3: D1.3 D1.4 F2.2
  other v2: 74.422,84.709 76.327,84.836 78.105,84.836
NetDS1_1: DS1.1 R11.1 | length 3.1
  Top Layer w0.3: DS1.1 v1(121.285,71.374)
  Bottom Layer w0.3: R11.1 v1(121.285,71.374)
NetDS2_1: DS2.1 R12.1 | length 3.1
  Top Layer w0.3: DS2.1@119.921,66.929 v1(121.285,66.929)
  Bottom Layer w0.3: R12.1@119.533,66.929 v1(121.285,66.929)
NetDS3_1: DS3.1 R13.1 | length 3.5
  Top Layer w0.3: DS3.1 119.794,69.088 v1(121.285,69.088)
  Bottom Layer w0.3: R13.1@119.406,68.961 R13.1@119.533,68.834 ; R13.1@119.66,69.088 v1(121.285,69.088)
NetR7_2: R7.2 R9.3 | length 7.7
  Top Layer w0.4: R9.3 100.063,93.472 100.584,93.472 101.473,92.583 101.473,89.408 100.584,88.519 R7.2
NetR9_1: R9.1 R10.1 | length 7.1
  Top Layer w0.4: R10.1 97.028,95.885 97.917,94.996 97.917,92.075 98.536,91.456 R9.1
POSITION: B1.8 J3.4 | length 33.7
  Top Layer w0.3: J3.4 69.938,74.676 73.406,74.676 78.816,69.266 92.634,69.266 94.627,71.259 B1.8
RIGHT_INDICATOR: B1.11 J3.7 | length 25.4
  Top Layer w0.3: J3.7 73.992,67.604 93.893,67.604 96.048,69.759 B1.11
SS: B3.4 C22.1 | length 3.8
  Top Layer w0.254: C22.1@95.661,98.044 C22.1
  Top Layer w0.4: B3.4 C22.1@95.661,98.044
SW: B3.10 B3.11 C16.2 L3.1
  other v2: 81.661,102.108 81.661,103.251 81.661,104.394
TEST: B1.2 C5.1 R3.1 S2.2 S2.4 | length 57.9
  Top Layer w0.3: B1.2 96.683,74.259 96.393,74.549 96.393,77.932 96.52,78.994 96.52,79.248 104.033,82.558 107.95,84.201 113.538,84.201 115.189,82.55 117.602,82.55 118.364,81.788 v1(118.364,80.137) ; S2.4 S2.2 ; v1(118.364,73.533) 118.364,64.028 S2.2 ; v1(118.491,61.849) 118.491,63.901 S2.2
  Bottom Layer w0.3: v1(118.364,73.533) v1(118.364,80.137) ; v1(118.491,61.849) 119.123,61.217 C5.1 119.123,57.052 R3.1
UART_RX: B1.25 J5.5 | length 9.9
  Top Layer w0.3: B1.25@105.965,69.205 105.918,69.158 105.918,68.707 106.377,68.248 106.377,61.973 106.68,61.67 106.68,59.817 J5.5
UART_TX: B1.22 J5.3 | length 14
  Top Layer w0.3: B1.22 103.477,62.512 105.283,60.706 105.283,59.182 106.045,58.42 107.823,58.42 J5.3
VBST: B3.12 C16.1 | length 4.1
  Top Layer w0.4: C16.1 83.439,98.679 84.724,97.394 B3.12
VDDA: B1.21 L2.1 | length 12.4
  Top Layer w0.3: v1(102.489,65.786) 102.489,65.867 102.977,66.355 B1.21
  Bottom Layer w0.3: L2.1 95.146,69.434 95.446,69.134 95.45,69.134 96.266,68.318 96.266,66.675 97.617,65.324 99.781,65.324 100.243,65.786 v1(102.489,65.786)
VREF: B1.20 C1.1 C2.1 L1.1 | length 8.3
  Top Layer w0.3: B1.20 102.477,68.959 102.803,69.285 103.194,69.285 v1(103.251,69.342)
  Bottom Layer w0.5: L1.1@100.223,67.688 C2.1 ; C2.1@102.235,67.688 C1.1 ; v1(103.251,69.342) 103.759,69.342 104.394,68.707 C1.1@104.394,67.942
pads on no net: B1.14 B1.15 B1.16 B1.17 B1.18 B1.34 B1.39 B1.41 B1.42 B1.43 B1.44 B1.46 J1.3 J1.4 J2.3 J2.4 J3. J5.2 J5.4 J5.6 J5.8 J6. J7. U1.5 U1.8

## Polygon pours and split planes (outlines as drawn)
GND on Top Layer "GND_L01_P186" (solid, pour order 186): 131.318,105.537 57.912,105.283 57.912,54.229 131.318,54.229
+5V_OUT on Top Layer "+5V_OUT_L01_P183" (solid, pour order 183): 91.313,96.393 93.091,96.393 93.091,94.996 92.583,94.996 92.583,91.948 95.123,91.948 95.123,89.916 97.155,89.916 97.155,87.122 92.71,87.122 89.662,91.098 89.662,94.742
+5V on Top Layer "+5V_L01_P180" (solid, pour order 180): 79.375,83.312 85.852,83.474 85.852,82.55 92.05,82.55 92.05,83.629 94.615,83.693 112.504,91.44 112.504,95.719 125.603,95.719 125.603,76.517 123.317,76.454 123.317,87.884 114.236,87.884 94.615,79.629 85.979,79.629 85.852,78.359 79.502,78.359
+5V_OUT on Top Layer "+5V_OUT_L01_P185" (solid, pour order 185): 89.662,91.912 89.662,89.027 84.128,89.027 82.169,87.503 82.169,83.693 85.725,83.693 85.725,86.741 92.19,86.741 93.154,87.439
NetD1_3 on Top Layer "NETD1_3_L01_P182" (solid, pour order 182): 73.025,83.693 73.025,87.503 82.169,87.503 82.169,83.693
NetB3_13 on Top Layer "NETB3_13_L01_P184" (solid, pour order 184): 87.361,97.774 75.835,97.774 75.819,97.79 75.763,97.734 75.763,92.781 83.752,92.781 83.82,92.713 83.82,92.075 86.233,92.075 86.233,94.996 87.378,94.996
+5V on Top Layer "+5V_L01_P178" (solid, pour order 178): 125.603,78.486 113.309,78.486 113.411,74.422 125.603,74.549
no net on Top Layer "NONET_L01_P187" (solid, pour order 187): 123.063,79.502 113.792,79.502 113.792,73.914 125.222,74.041
no net on Top Layer "NONET_L01_P175" (solid, pour order 175): 78.359,87.122 78.359,85.471
no net on Top Layer "NONET_L01_P174" (solid, pour order 174): 80.899,96.52 84.074,96.52
SW on Top Layer "SW_L01_P177" (solid, pour order 177): 80.772,101.346 80.772,97.79 79.375,97.79 79.375,100.457 80.645,101.346
SW on Top Layer "SW_L01_P176" (solid, pour order 176): 87.122,97.718 87.122,98.988 85.344,98.988 84.709,100.639 84.709,105.084 80.527,105.084 80.527,100.015 83.282,100.015 85.196,97.718
GND on Bottom Layer "GND_L02_P198" (solid, pour order 198): 57.912,105.537 131.313,105.666 131.575,54.229 57.912,54.487
NetD1_3 on Bottom Layer "NETD1_3_L02_P190" (solid, pour order 190): 67.801,80.645 67.801,77.996 73.152,78.086 73.152,85.852 79.248,85.852 79.248,81.661 76.2,81.661 76.2,75.019 62.103,74.549 62.103,80.645
+5V_OUT on Bottom Layer "+5V_OUT_L02_P194" (solid, pour order 194): 97.536,105.156 97.536,90.492 89.916,90.492 89.916,95.123 91.44,95.123 91.44,105.156
+5V_EXT on Bottom Layer "+5V_EXT_L02_P197" (solid, pour order 197): 72.898,88.202 61.722,88.202 61.722,83.566 72.898,83.566
NetB3_13 on Bottom Layer "NETB3_13_L02_P181" (solid, pour order 181): 75.819,99.06 82.224,99.06 82.224,93.218 75.819,93.218
NetB3_13 on Bottom Layer "NETB3_13_L02_P192" (solid, pour order 192): 67.928,94.728 67.928,92.456 73.152,92.456 73.152,95.405 77.14,95.405 77.07,89.789 62.12,89.789 62.12,94.728
+12V on Bottom Layer "+12V_L02_P191" (solid, pour order 191): 73.375,102.87 62.23,102.87 62.23,97.599 73.375,97.599
+3V3 on Bottom Layer "+3V3_L02_P196" (solid, pour order 196): 92.456,75.692 105.41,75.692 105.41,74.549 92.71,74.549
+3V3 on Bottom Layer "+3V3_L02_P195" (solid, pour order 195): 92.837,73.787 92.837,70.993 94.106,70.993 94.107,68.707 92.837,68.707 92.837,65.913 91.565,65.913 91.693,73.215
+3V3 on Bottom Layer "+3V3_L02_P193" (solid, pour order 193): 79.375,76.2 85.09,76.2 85.09,77.025 87.884,77.025 87.884,75.692 92.837,75.692 92.837,73.152 85.217,73.152 82.496,73.914 79.375,73.914
SW on Bottom Layer "SW_L02_P179" (solid, pour order 179): 80.645,105.283 87.376,105.283 87.376,94.996 82.423,94.996 82.423,99.187 80.645,100.965

## Silkscreen, mask and mechanical layers (free items; w line width, h text height)
Mechanical 1:
  the board outline again, w0.254

## Dimensions
131.572,105.537 to 131.572,54.229 on Top Layer
56.201,104.913 to 131.572,105.537 on Top Layer

## Text inside footprints (layer, text, board x,y; h text height)
J6: Top 3D Body "NPTH D3.00 +/- 0.05" at 113.489,90.638 h0.5 r90; Top 3D Body "PTH D1.80 +/- 0.05" at 112.732,90.638 h0.5 r90